# Altium PCB LION_TRACKER_BKP.PcbDoc (part 2 of 2)
Units mm, origin at the board's own origin, x right, y up, seen from the top; angles counter-clockwise.
Board outline 22.8 x 82 mm, 2 copper layers (Top Layer, Bottom Layer), stack 1.579 mm thick; 111 components, 82 nets, 423 pads, 505 vias.
Unrouted connection lines stored in the file: 5.
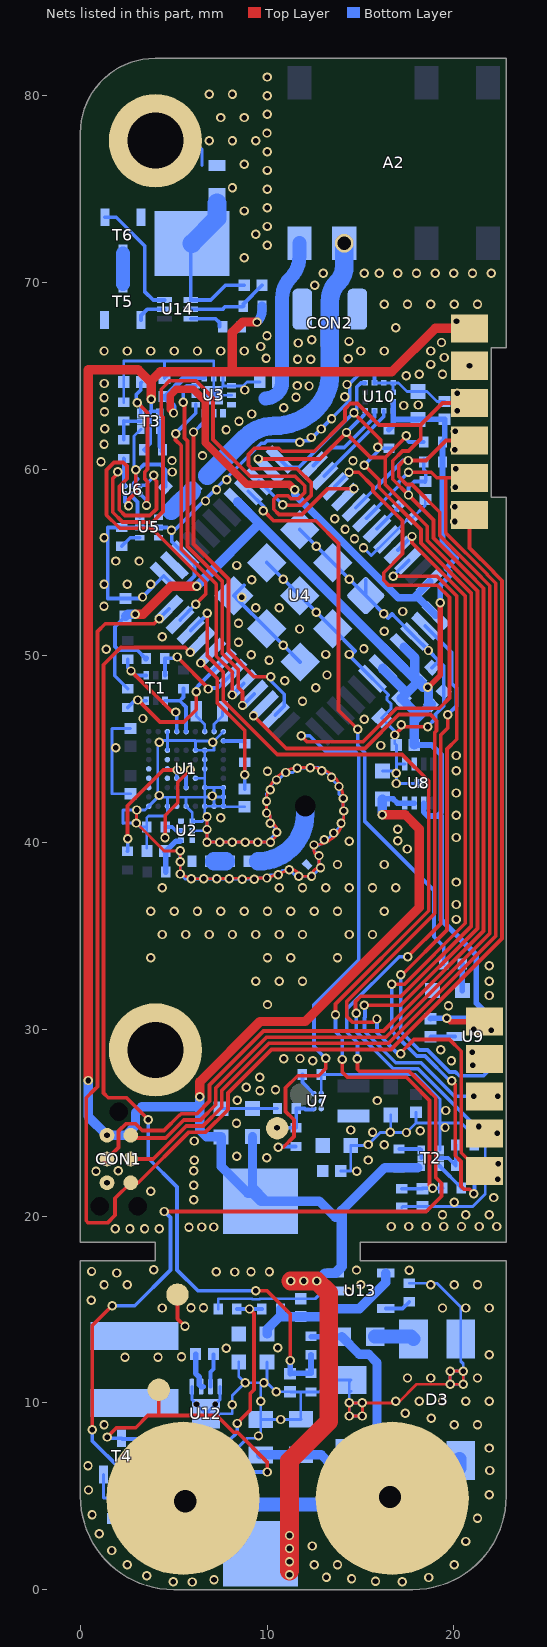
[diagram p2: the nets of this part, all layers, seen from the top]

## Via types
v1: diameter 0.5, hole 0.3, Top Layer to Bottom Layer, tented both sides, 497 vias
v2: diameter 0.4, hole 0.4, Top Layer to Bottom Layer, tented both sides, 4 vias
v3: diameter 1.2, hole 1.2, Top Layer to Bottom Layer, tented both sides, 2 vias
v4: diameter 0.3, hole 0.3, Top Layer to Bottom Layer, tented both sides, 2 vias

## Nets (pads, with @x,y where several pads share a name; then routed paths per layer and width w, separated by ;. In a path a pad name is that pad's centre, name@x,y a point inside that pad or via, vN(x,y) a via of type N, cw(c..) or ccw(c..) an arc to the next point about the centre after c; other vN are vias at no path point) (continued)
+2.5V: C5.1 C6.2 C12.1 C13.2 C14.2 C15.2 C34.2 C36.1 pad.201 R6.2 R8.2 R10.2 R11.2 R18.2 U4.4 U4.5 U4.6 U4.32 U8.2 U8.6 U9.1 U10.9 U10.10 | length 86.5
  Top Layer w0.3: v1(18.61,48.319) 19.279,48.988 v1(19.279,52.853) ; v1(19.621,30.59) 19.796,30.415 pad.201@21.643,30.415
  Top Layer w0.5: v1(2.94,52.23) 3.35,52.23 4.853,53.733 v1(6.237,53.733)
  Bottom Layer w0.2: C15.2@2.42,52.12 1.86,51.56 1.86,50.5 2.04,50.32 ; R6.2@2.54,48.24 1.84,48.94 1.84,50.12 2.04,50.32 ; R8.2@3.52,49.87 3.49,49.87 3.04,50.32 2.04,50.32
  Bottom Layer w0.3: R8.2@3.5,49.85 R8.2@3.52,49.87 ; R11.2@16.52,62.12 16.75,62.35 16.75,62.66 ; U10.9@16.75,63.62 U10.10@16.75,63.12 16.75,62.66 ; C34.2@17.88,45.23 18.8,45.23 19.33,44.7 19.33,41.639 19.121,41.43 19.33,41.43 19.33,35.86 21.2,33.99 21.2,31.41 U9.1@22.02,30.59 ; U8.6@18.38,42.12 18.38,41.65 18.6,41.43 18.861,41.43 ; C36.1@18.75,30.57 18.77,30.59 v1(19.621,30.59) 21.248,30.59 ; v1(19.279,52.853) 19.279,53.791 19.773,54.284 19.773,54.514 19.593,54.693 20.125,55.225 19.39,55.96 R18.2@19.39,60.38 R10.2@19.39,61.46 19.51,61.58 C6.2@19.51,62.67 ; C6.2@19.52,62.66 C6.2@19.51,62.67 ; 16.75,62.66 C5.1@18.09,62.66 18.1,62.67 C6.2@19.51,62.67 ; 21.248,30.59 U9.1@22.02,30.59 ; 21.248,30.59 21.06,30.402 v1(21.06,30) 21.1,29.96 v1(22,29.96) 22,30.57 U9.1@22.02,30.59
  Bottom Layer w0.5: C15.2@2.42,52.12 2.53,52.23 v1(2.94,52.23) ; v1(6.237,53.733) 6.587,54.083 6.587,54.095 9.58,57.088 ; U4.32@8.429,58.253 8.429,58.238 9.58,57.088 ; U4.6@16.2,49.336 16.2,49.286 17.473,48.013 ; U4.4@17.332,50.467 17.913,49.886 C14.2@17.913,48.755 ; C34.2@17.88,45.23 17.88,46.51 ; v1(18.61,48.319) v1@18.522,48.319 ; 9.58,57.088 U4.5@16.766,49.902 C14.2@17.913,48.755 ; 17.473,48.013 C14.2@18.064,48.604 ; 17.473,48.013 C12.1@17.19,47.73 17.88,47.041 17.88,46.51 ; 17.88,46.51 C13.2@18.781,47.411 18.644,47.411 18.644,48.197 v1@18.522,48.319 ; C14.2@17.913,48.755 C14.2@17.977,48.691 ; C14.2@17.977,48.691 C14.2@18.064,48.604 ; C14.2@17.977,48.691 C14.2@18.151,48.691 ; C14.2@18.064,48.604 18.349,48.319 v1@18.522,48.319 ; C14.2@18.064,48.604 C14.2@18.151,48.691 ; C14.2@18.151,48.691 v1@18.522,48.319
A_INT1: U4.37 U10.12 | length 4.7
  Bottom Layer w0.2: U4.37@12.488,60.204 13.444,61.16 14.127,61.16 15.75,62.783 U10.12@15.75,63.12
A_INT2: U4.38 U10.11 | length 4.8
  Bottom Layer w0.2: U4.38@13.061,59.631 16.25,62.82 U10.11@16.25,63.12
AC+: D3.4 TAB3.1 | length 13.3
  Bottom Layer w0.75: v3(5.61,4.74) 5.802,4.548 14.148,4.548 16.52,6.92 D3.4@17.83,6.92
AC-: D3.3 TAB1.1 | length 4.8
  Bottom Layer w0.75: v3(16.58,4.96) 18.76,4.96 20.305,6.505 D3.3@20.305,6.985
ANT: A2.1 C7.2 U3.9 U3.10 | length 9.1
  Bottom Layer w0.75: 9.923,63.795 ccw(c9.923,64.682) 10.81,64.682 10.81,69.178 cw(c12.312,69.178) 11.25,70.24 ccw(c10.092,71.398) 11.73,71.398 A2.1@11.73,72.1
BAT_AN: C10.2 R12.1 R15.2 U4.22 | length 49.2
  Top Layer w0.2: v1(6.8,52.28) 6.8,49.995 7.653,49.142 7.653,47.614 10.547,44.72 17.23,44.72 18.65,43.3 18.65,36.35 13.664,31.364 v1(13.664,30.785) ; v1(14.028,28.393) 14.028,27.712 14.303,27.437 17.467,27.437 17.748,27.156 17.748,27.152 18.7,26.2 18.7,21.66 v1(18.86,21.5)
  Bottom Layer w0.2: U4.22@5.914,51.356 6.8,52.242 v1(6.8,52.28) ; v1(13.664,30.785) 13.664,29.885 14.028,29.521 v1(14.028,28.393) ; R15.2@17.21,21.47 C10.2@18.32,21.47 18.35,21.5 v1(18.86,21.5) R12.1@19.4,21.5
BAT_MON_EN: R14.1 U4.45 | length 43.3
  Top Layer w0.2: v1(16.677,32.422) 17.353,32.422 20.611,35.68 20.611,53.214 17.761,56.064 v1(17.761,56.4) ; v1(19.883,27.248) 20.073,27.058 20.073,23.255 20.08,23.248 20.08,23.23 20.38,22.93 20.38,21.607 20.549,21.438 20.834,21.438 v1(21.065,21.207)
  Bottom Layer w0.2: v1(16.677,32.422) 16.677,29.917 16.828,29.765 16.828,29.754 18.011,28.571 18.46,28.571 19.783,27.248 v1(19.883,27.248) ; U4.45@17.014,55.679 17.735,56.4 v1(17.761,56.4) ; v1(21.065,21.207) 21.1,21.242 R14.1@21.1,22.71
BOOT0: R17.1 U4.43 | length 1.7
  Bottom Layer w0.2: U4.43@15.882,56.81 17.056,57.984 R17.1@17.056,58.074
CHG_DIS: R31.1 U4.2 | length 72.6
  Top Layer w0.2: v1(0.64,8.56) 0.64,14.14 v1(1.7,15.2) ; v1(4.5,20.25) 18.52,20.25 19.337,21.067 19.337,21.759 19.027,22.069 19.027,26.335 18.7,26.662 18.7,26.67 17.845,27.525 17.842,27.525 17.603,27.764 14.936,27.764 14.834,27.866 v1(14.834,28.435) ; v1(17.522,33.896) 19.304,35.678 19.304,43.571 19.302,43.573 19.302,45.769 19.666,46.133 v1(19.666,46.848)
  Bottom Layer w0.2: v1(0.64,8.56) 0.64,7.96 2.17,6.43 2.17,4.315 R31.1@1.67,3.815 ; v1(1.7,15.2) 2.91,15.2 4.82,17.11 4.82,19.93 v1(4.5,20.25) ; v1(14.834,28.435) 14.834,29.284 14.267,29.851 14.267,31.087 17.076,33.896 v1(17.522,33.896) ; U4.2@18.47,51.606 19.88,50.196 19.88,48.54 20.14,48.28 20.14,47.322 v1(19.666,46.848)
GND: C1.1 C3.1 C4.1 C5.2 C6.1 C7.1 C8.1 C10.1 C11.1 C12.2 C13.1 C14.1 C15.1 C16.2 C17.1 C18.1 C19.1 C20.1 C21.1 C22.1 C23.1 C31.1 C32.1 C33.1 C34.1 C36.2 C40.1 C41.1 C42.1 C43.1 C44.1 CON1.5 CON2.2 D1.A D2.1 D3.2 D4.A L4.1 pad.102 pad.202 pad.207 R3.1 R15.1 R16.1 R17.2 R19.1 R22.1 R24.1 R25.1 R26.1 R29.1 R30.1 R32.1 R34.1 R36.1 T2.1 T3.1 T4.2 T5.2 U1.A1 U1.A3 U1.A5 U1.A7 U1.A8 U1.A9 U1.B9 U1.C7 U1.C9 U1.D6 U1.E7 U1.F7 U1.G3 U1.G6 U1.G7 U1.J3 U1.J9 U2.1 U2.2 U3.0 U3.2 U3.5 U3.6 U3.7 U3.8 U3.11 U4.3 U4.7 U4.25 U4.27 U4.44 U4.49 U4.50 U4.51 U4.52 U4.53 U4.54 U4.55 U4.56 U4.57 U5.2 U5.5 U6.B2 U6.C1 U7.A3 U8.0 U8.1 U9.3 U10.5 U10.6 U10.7 U10.8 U12.5 U12.8 U12.9 U13.2 | length 302.3
  Top Layer w0.152: v1(3.02,41.75) 3,41.73 v1(3,41.05) 4.49,39.56 v1(5.34,39.56) 5.345,38.98 v1(5.35,38.32) v1(5.93,38.06) 6.61,38.068 7.3,38.077 7.98,38.085 8.659,38.094 9.309,38.102 v1(9.99,38.11) 10.574,38.324 v1(11.19,38.55) 11.34,38.55 cw(c11.34,38.2) v1(11.69,38.2) v1(12.38,38.2) cw(c12.84,38.2) 12.84,38.66 v1(12.86,38.66) cw(c12.86,38.74) 12.78,38.74 v1(12.78,39.31) cw(c12.78,39.58) 12.51,39.58 v1(12.51,39.88) ccw(c12.51,41.47) 14.1,41.47 v1(14.1,41.7) cw(c14.1,41.73) 14.07,41.73 v1(14.07,42.37) ccw(c12.42,42.37) 12.42,44.02 v1(12.31,44.02) 11.77,44.02 ccw(c11.77,42.22) v1(9.97,42.22) v1(9.97,41.59) cw(c9.97,41.39) 10.17,41.39 v1(10.17,41.04) cw(c10.17,40.7) 10.51,40.7 v1(10.51,40.55) 10.51,40.36 v1(10.18,40.03) v1(9.5,40.03) v1(8.82,40.03) v1(8.14,40.03) v1(7.46,40.03) v1(6.78,40.03) v1(6.78,40.71) v1(6.78,41.39) ; v1(15.1,10) 17,10 18,11 v1(19.8,11) ; v1(15.1,10) v1(15.1,9.3) v1(14.4,9.3) v1(14.4,10) v1(15.1,10) ; v1(19.8,11) v1(19.8,11.7) v1(20.5,11.7) v1(20.5,11) v1(19.8,11)
  Top Layer w0.2: v1(2.58,58.04) 2.58,58.37 2.97,58.76 v1(2.97,59.97) ; v1(16.832,45.768) 16.832,45.791 17.243,46.202 v1(18.598,46.202)
  Bottom Layer w0.152: T4.2@1.24,6.165 1.24,4.905 R32.1@1.67,4.905 ; R22.1@2.32,63.58 C16.2@2.32,64.66 2.32,65.79 4.5,65.79 ; C3.1@2.675,42.62 1.7,42.62 1.7,46.122 C4.1@2.676,46.122 ; v1@3.12,59.97 2.88,60.21 2.88,61.78 T3.1@3.24,62.14 ; pad.207@3.28,77.59 6.07,77.59 6.51,77.15 6.51,76.27 ; C1.1@3.55,39.72 R3.1@3.55,40.84 ; U1.G3@4.66,44.95 4.66,45.48 ; U1.J3@4.66,45.95 4.66,45.48 ; C8.1@4.71,65.06 C8.1@4.5,64.85 4.5,65.79 ; v1(5.34,39.56) v1(5.34,38.98) 5.35,38.97 v1(5.35,38.32) 5.61,38.06 v1(5.93,38.06) v1(6.61,38.06) v1(7.3,38.06) v1(7.98,38.06) 7.99,38.05 v1(8.66,38.05) 8.67,38.04 v1(9.31,38.04) 9.38,38.11 v1(9.99,38.11) 10.16,38.28 v1(10.59,38.28) 10.837,38.527 11.167,38.527 v1(11.19,38.55) 11.54,38.2 v1(11.69,38.2) v1(12.38,38.2) 12.4,38.2 v1(12.86,38.66) 12.78,38.74 v1(12.78,39.31) 12.51,39.58 v1(12.51,39.88) 12.79,39.88 v1(13.06,40.15) 13.2,40.15 v1(13.57,40.52) 13.96,40.91 v1(13.96,41.04) 14.1,41.18 v1(14.1,41.7) 14.07,41.73 v1(14.07,42.37) 13.85,42.59 v1(13.85,43.01) 13.45,43.41 v1(13.45,43.51) 13.11,43.85 v1(12.93,43.85) 12.76,44.02 v1(12.31,44.02) 12.28,43.99 v1(11.62,43.99) 11.39,43.76 v1(11,43.76) 10.6,43.36 v1(10.5,43.36) 10.17,43.03 v1(10.17,42.83) 9.97,42.63 v1(9.97,42.22) v1(9.97,41.59) 10.17,41.39 v1(10.17,41.04) 10.51,40.7 v1(10.51,40.55) 10.18,40.22 v1(10.18,40.03) v1(9.5,40.03) v1(8.82,40.03) v1(8.14,40.03) v1(7.46,40.03) v1(6.78,40.03) v1(6.78,40.71) ; U12.5@5.97,10.87 5.97,10.17 v4(6.22,9.92) U12.9@6.72,9.42 ; U2.2@5.99,40.64 6.71,40.64 v1(6.78,40.71) ; U1.D6@6.16,43.45 6.66,43.45 ; U3.2@6.178,63.96 U3.0@7.14,63.96 ; U3.11@7.14,62.998 U3.0@7.14,63.96 ; R30.1@7.38,15.02 7.38,15.58 9.179,15.58 9.212,15.547 9.588,15.547 9.621,15.58 C40.1@11.8,15.58 12.58,15.58 13,16 U13.2@13.65,16 ; U12.8@7.47,10.87 7.47,10.17 v4(7.22,9.92) U12.9@6.72,9.42 ; C18.1@7.54,25.75 7.55,25.76 C19.1@9.22,25.76 9.23,25.77 R24.1@10.56,25.77 ; U3.6@7.64,64.922 U3.0@7.64,64.46 ; U1.J9@7.66,45.95 v1@7.15,45.44 ; U3.8@8.102,63.96 U3.0@7.14,63.96 ; C43.1@8.27,6.95 8.27,7.44 8.94,8.11 9.42,8.11 v1(9.54,8.23) 9.66,8.35 C31.1@9.66,9.11 ; C42.1@8.48,12.2 8.48,11.42 v1(8.82,11.08) ; C17.1@8.8,41.92 7.66,41.92 U1.A9@7.66,41.95 ; C7.1@9.61,64.67 8.92,64.67 8.71,64.46 U3.7@8.102,64.46 U3.0@7.64,64.46 ; C41.1@10,12.19 v1@10,11.08 ; U7.A3@12.9,26.56 12.9,27.58 R25.1@12.89,27.59 17.941,27.59 19.26,26.271 19.26,24.99 ; C21.1@13.94,22.42 14.48,22.42 C20.1@14.48,23.78 15.36,23.78 v1(15.414,23.834) 16.06,24.48 v1@16.58,24.48 ; D4.A@14.445,10.58 D4.A@14.49,10.625 ; v1(15.162,55.795) 15.58,55.377 U4.44@16.448,56.244 17.57,57.366 R17.2@17.764,57.366 18.47,58.073 C11.1@18.47,58.38 ; U4.7@15.642,48.777 16.513,47.906 16.422,47.814 16.422,47.646 16.63,47.438 16.63,47.17 C12.2@16.13,46.67 16.832,45.967 v1(16.832,45.768) 16.832,45.318 C34.1@16.92,45.23 16.92,44.22 ; U10.5@15.75,64.62 U10.6@16.25,64.62 U10.7@16.75,64.62 ; C33.1@16.18,43.84 v1@16.92,43.84 ; C23.1@16.62,25.41 16.62,24.52 v1(16.6,24.5) v1@16.58,24.48 ; U10.8@16.75,64.12 U10.7@16.75,64.62 ; R15.1@17.21,20.47 17.25,20.51 C10.1@18.32,20.51 21.009,20.51 21.68,21.181 21.68,23.81 R16.1@21.1,23.81 21.1,24.29 20.4,24.99 19.26,24.99 ; U8.1@17.38,44.22 16.92,44.22 ; R29.1@17.61,16.41 19.09,16.41 20.37,15.13 D3.2@20.37,13.42 20.37,12.23 20.5,12.1 v1@20.5,11.9 ; C22.1@17.97,25.56 17.97,24.99 ; U8.0@18.13,43.17 v1(16.92,43.17) v1(16.92,43.726) v1@16.92,43.84 ; T2.1@19.26,23.54 19.26,24.99 ; C6.1@19.51,63.63 19.09,63.63 18.56,64.16 C5.2@18.09,64.16 17.5,64.16 17.04,64.62 U10.7@16.75,64.62 ; v1(3,41.05) 3.21,40.84 R3.1@3.55,40.84 ; v1(3,41.05) 3,41.73 v1(3.02,41.75) ; v1(3,41.05) 2.31,41.05 2.29,41.03 2.29,41.75 v1(3.02,41.75) ; v1(3.02,41.75) 3.46,41.75 U1.A1@3.66,41.95 v1@4.14,42.43 ; R3.1@3.55,40.84 3.55,41.33 3.65,41.43 4.51,41.43 4.66,41.58 U1.A3@4.66,41.95 4.66,42.43 ; v1@4.14,42.43 4.14,45.48 4.66,45.48 ; v1@4.14,42.43 4.66,42.43 ; 4.5,65.79 7.14,65.79 U3.5@7.14,64.922 U3.0@7.14,63.96 ; 4.66,42.43 5.66,42.43 ; 4.66,45.48 6.16,45.48 6.16,45.44 ; 5.66,42.43 6.66,42.43 ; 5.66,42.43 U1.A5@5.66,41.95 5.99,41.62 U2.1@5.99,41.14 6.53,41.14 v1(6.78,41.39) ; 6.16,45.44 v1@7.15,45.44 ; 6.16,45.44 U1.G6@6.16,44.95 U1.G7@6.66,44.95 ; U1.A7@6.66,41.95 6.66,41.51 v1(6.78,41.39) ; U1.A7@6.66,41.95 6.66,42.43 ; U1.A7@6.66,41.95 U1.A8@7.16,41.95 ; 6.66,42.43 6.66,42.45 ; 6.66,42.45 v1@7.16,42.45 ; 6.66,42.45 U1.C7@6.66,42.95 ; U1.C7@6.66,42.95 7.16,42.95 ; U1.C7@6.66,42.95 6.66,43.45 ; 6.66,43.45 U1.E7@6.66,43.95 U1.F7@6.66,44.45 U1.G7@6.66,44.95 ; U1.G7@6.66,44.95 7.14,44.95 7.17,44.98 7.15,45 v1@7.15,45.44 ; U12.9@6.72,9.42 8.13,9.42 v1(8.13,9.905) 8.13,10.39 v1(8.82,11.08) ; v1(6.78,40.71) v1(6.78,41.39) ; U3.0@7.14,63.96 U3.0@7.64,64.46 ; U1.A8@7.16,41.95 v1@7.16,42.45 ; U1.A8@7.16,41.95 U1.A9@7.66,41.95 ; v1@7.16,42.45 7.16,42.95 ; v1@7.16,42.45 U1.B9@7.66,42.45 ; 7.16,42.95 U1.C9@7.66,42.95 U1.B9@7.66,42.45 ; U1.A9@7.66,41.95 U1.B9@7.66,42.45 ; v1(8.82,11.08) v1@9.66,11.08 ; C31.1@9.66,9.11 v1(9.66,10.095) v1@9.66,11.08 ; C31.1@9.66,9.11 v1(10.73,9.11) 11.8,9.11 C32.1@11.81,9.12 11.8,9.13 11.8,10.58 ; v1@9.66,11.08 v1(9.83,11.08) v1@10,11.08 ; v1@10,11.08 v1(10.48,10.6) C44.1@11.23,10.6 11.25,10.58 11.8,10.58 ; 11.8,10.58 R34.1@12.35,10.58 12.78,10.58 13.425,11.225 D4.A@14.49,11.225 14.4,11.135 v1(14.4,10) ; v1(14.4,10) v1(15.1,10) v1(15.1,9.3) v1(14.4,9.3) v1(14.4,10) ; v1@16.58,24.48 v1(17.46,24.48) 17.97,24.99 ; v1@16.92,43.84 16.92,44.22 ; 17.97,24.99 19.26,24.99 ; v1@20.5,11.9 20.3,11.7 v1(19.8,11.7) v1(19.8,11) v1(20.5,11) v1(20.5,11.7) v1@20.5,11.9
  Bottom Layer w0.2: U6.C1@2.39,58.69 2.39,58.23 v1(2.58,58.04) v1@2.58,58.12 ; U6.B2@2.79,59.09 2.863,59.163 2.863,59.271 3.066,59.475 2.97,59.57 v1(2.97,59.97) 3.12,59.97 3.4,60.25 4.29,60.25 4.575,59.965 4.575,59.08 L4.1@4.557,59.063 ; 8.765,53.783 U4.57@8.212,53.23 8.471,52.971 U4.56@9.98,51.462 v1(10.873,50.57) U4.55@11.765,49.677 ; U4.54@9.98,54.998 U4.53@11.748,53.23 v1(12.632,52.346) U4.52@13.516,51.462 14.708,50.27 14.708,50.258 14.434,49.985 U4.7@15.642,48.777 ; U4.51@11.748,56.766 U4.50@13.516,54.998 v1(14.399,54.114) U4.49@15.283,53.23 ; U4.49@15.283,54.078 U4.49@15.283,53.23 ; U10.5@15.75,64.62 15.75,65.08 15.66,65.17 15.01,65.17 14.43,64.59 14.43,63.69 12.27,61.53 10.002,61.53 9.857,61.385 9.685,61.385 5.06,56.76 v1@4.77,56.76 ; v1(18.598,46.202) 18.598,46.234 19.018,46.654 19.018,46.874 19.446,47.302 19.446,47.34 19.449,47.344 19.459,47.344 C13.1@19.459,48.089 19.459,49.471 19.195,49.735 ; C36.2@18.75,29.61 18.76,29.62 U9.3@20.08,29.62 ; C14.1@18.829,49.369 19.195,49.735 ; v1@4.77,56.76 4.89,56.64 4.89,56.132 U4.27@5.598,55.424 5.97,55.052 6.11,55.052 6.11,54.28 5.6,53.77 4.985,53.77 U4.25@4.465,54.291 v1(3.329,53.156) 3.254,53.08 C15.1@2.42,53.08 1.47,53.08 1.47,56.88 R19.1@2.22,56.88 U5.5@3.18,56.88 U5.2@4.18,56.88 4.65,56.88 v1@4.77,56.76 ; U4.49@15.283,53.23 16.48,52.033 16.483,52.033 16.69,52.24 16.89,52.04 U4.3@17.897,51.033 v1(18.638,50.293) 19.195,49.735
  other v1: 5.998,0.406 4.982,0.419 17.241,0.419 15.805,0.444 7.154,0.533 14.522,0.584 13.176,0.66 18.651,0.648 3.559,0.736 2.518,1.33 12.518,1.33 13.768,1.33 20.018,1.33 1.679,2.096 12.413,2.337 20.643,2.58 1.018,2.998 21.268,3.83 0.625,4.001 21.893,5.08 0.434,5.335 21.916,6.377 0.409,6.631 21.893,7.58 1.268,8.83 20.018,8.83 21.268,8.83 18.791,9.172 17.393,9.451 16.893,10.08 18.143,10.08 19.393,10.08 20.643,10.08 21.893,10.08 17.518,11.33 18.768,11.33 21.268,11.33 2.39,12.436 4.156,12.436 5.414,12.462 21.893,12.58 7.812,12.917 10.562,12.945 4.393,15.08 19.393,15.08 20.643,15.08 21.893,15.08 5.922,15.1 6.593,15.1 0.578,15.488 14.341,15.943 1.268,16.33 2.518,16.33 15.018,16.33 18.768,16.33 20.018,16.33 21.268,16.33 1.94,16.955 8.259,17.007 9.139,17.018 10.124,17.018 0.599,17.039 7.274,17.028 3.921,17.123 14.787,17.113 17.619,17.105 1.86,19.32 2.653,19.32 3.437,19.32 4.23,19.32 5.817,19.399 6.493,19.418 7.139,19.418 16.642,19.447 17.59,19.447 18.526,19.447 19.463,19.447 20.411,19.447 21.359,19.447 22.295,19.447 19.393,20.08 20.643,20.08 21.893,20.08 20.022,20.747 6.062,20.878 22.142,20.996 3.768,21.33 6.062,21.661 1.425,21.79 14.795,22.402 0.834,22.407 2.032,22.433 6.062,22.435 6.1,23 15.415,23.004 9.987,23.133 8.375,23.211 16.268,23.83 6.091,24.022 15.647,24.492 18.202,24.58 14.476,24.612 19.53,24.75 8.361,24.975 19.56,25.66 15.89,26.19 8.393,26.208 9.62,26.713 10.451,26.775 8.886,26.894 9.599,27.431 21.01,28.09 19.87,28.32 12.45,28.33 10.894,28.431 11.76,28.443 20.99,28.78 19.3,28.91 19.714,31.264 10.018,31.33 21.894,31.815 9.393,32.58 10.643,32.58 11.893,32.58 21.893,32.58 21.9,33.407 3.768,33.83 10.018,33.83 11.268,33.83 13.768,33.83 4.393,35.08 5.643,35.08 6.893,35.08 8.143,35.08 9.393,35.08 10.643,35.08 11.893,35.08 14.393,35.08 15.643,35.08 20.12,35.89 3.768,36.33 5.018,36.33 6.268,36.33 7.518,36.33 8.768,36.33 10.018,36.33 11.268,36.33 12.518,36.33 13.768,36.33 16.268,36.33 20.13,36.69 4.393,37.58 10.643,37.58 11.893,37.58 13.143,37.58 14.393,37.58 15.643,37.58 16.893,37.58 20.13,37.89 13.768,38.83 16.268,38.83 17.5,39.66 14.393,40.08 17,40.1 20.13,40.28 17.001,40.716 7.518,41.33 20.13,41.47 7.06,42.5 4.23,42.53 20.13,42.66 10.018,43.83 20.13,43.85 20.13,44.67 1.893,45.08 16.094,45.202 4.23,45.38 7.09,45.38 17.189,46.31 15.21,46.601 3.35,46.65 11.893,47.58 12.605,48.291 10.944,48.677 13.207,48.979 10.105,49.775 9.152,50.06 13.143,50.08 14.393,50.08 1.394,50.364 15.185,50.384 8.465,50.74 4.391,51.022 16.268,51.33 11.738,51.444 8.465,51.751 16.238,52.261 17.262,52.382 9.393,52.58 10.643,52.58 1.263,52.668 8.639,53.139 1.268,53.83 2.518,53.83 3.768,53.83 9.173,54.081 10.864,54.114 8.371,54.847 1.893,55.08 3.143,55.08 12.632,55.882 14.681,56.28 1.268,56.33 4.881,56.738 14.174,56.786 13.618,57.354 6.702,58.296 7.293,58.898 7.842,59.428 4.921,59.853 1.103,60.4 14.6,60.45 4.907,60.463 6.538,60.731 1.268,61.33 11.744,61.442 12.369,61.701 7.801,62.116 12.906,62.155 1.298,62.167 8.493,62.572 13.452,62.697 9.171,62.957 1.291,63.085 10.896,63.294 17.32,63.41 18.09,63.44 1.268,63.83 11.549,63.851 14.155,63.885 8.809,64.239 12.246,64.456 11.607,64.479 14.28,64.536 1.27,64.589 17.443,65.002 18.143,65.08 19.393,65.08 20.84,65.54 18.761,65.611 11.63,65.884 12.345,65.89 9.943,65.936 14.342,65.919 19.493,65.983 1.268,66.33 2.518,66.33 3.768,66.33 5.018,66.33 6.268,66.33 7.51,66.33 8.768,66.33 15.018,66.33 16.268,66.33 18.768,66.33 9.65,66.57 11.659,66.761 19.336,66.785 14.383,66.843 12.385,66.924 9.994,67.153 16.893,67.58 16.268,68.83 17.518,68.83 18.768,68.83 20.018,68.83 21.268,68.83 12.542,69.859 13,70.5 15.2,70.5 16,70.5 17,70.5 18,70.5 19,70.5 20,70.5 21,70.5 22,70.5 8.768,71.33 10,72 9.393,72.58 10,73 8.768,73.83 10,74 10,75 8.143,75.08 10,76 8.768,76.33 10,77 6.893,77.58 8.143,77.58 9.393,77.58 9.995,78 7.518,78.83 8.768,78.83 10,79 10,80 6.893,80.08 8.143,80.08 10,81
GND_BAT: C45.1 P1.2 R26.2 T6.2 U14.4 | length 9
  Bottom Layer w0.2: P1.2@5.87,72.03 P1.2@5.91,71.99 ; P1.2@5.98,72.09 5.91,72.02 P1.2@5.91,71.99 ; C45.1@8.77,69.85 7.77,69.85 6.98,69.06 U14.4@5.91,69.06 P1.2@5.91,71.99
  Bottom Layer w1: P1.2@5.98,72.09 7.32,73.43 7.32,74.26
GPS_EN: R23.1 U4.39 | length 56.1
  Top Layer w0.2: v1(10.59,23.69) 10.86,23.69 11.44,24.27 11.44,25.16 10.99,25.61 10.99,26.872 11.638,27.52 12.76,27.52 13.14,27.9 v1(13.14,28.45) ; v1(11.82,45.73) 12.14,45.41 15.138,45.41 16.927,47.199 19.213,47.199 19.762,47.748 19.762,53.138 19.114,53.786 16.504,53.786 16.24,54.05 16.24,54.46 17.25,55.47 17.25,57.24 15.676,58.814 15.676,59.069 14.905,59.84 v1(14.387,59.84)
  Bottom Layer w0.2: v1(10.59,23.69) 10.63,23.73 R23.1@11.54,23.73 ; v1(11.82,45.73) 12.287,45.73 13.113,44.904 14.681,44.904 14.908,44.677 14.908,33.717 12.512,31.321 12.512,29.078 v1(13.14,28.45) ; U4.39@13.619,59.073 v1(14.387,59.84)
GPS_RX: R8.1 T1.3 U4.18 | length 6
  Top Layer w0.2: v1(5.185,49.945) v1@6.92,48.21 ; v1(6.84,48.23) v1@6.84,48.29
  Bottom Layer w0.2: T1.3@4.555,48.98 T1.3@4.53,48.955 4.53,49.86 R8.1@4.52,49.87 5.11,49.87 v1(5.185,49.945) v1@5.26,50.02 ; v1(6.84,48.23) 6.897,48.287 7.357,48.287 8.163,49.093 U4.18@8.177,49.093
GPS_TX: R6.1 T1.6 U4.19 | length 8.2
  Top Layer w0.2: v1(3.08,47.64) 4.26,46.46 5.54,46.46 6.2,47.12 v1(6.2,48.08)
  Bottom Layer w0.2: R6.1@2.54,47.24 2.905,47.605 T1.6@3.53,47.605 ; v1(6.2,48.08) 6.2,48.29 6.35,48.44 7.099,49.189 7.569,49.659 U4.19@7.611,49.659
INPUT_AN: C44.2 R33.1 R34.2 U4.21 | length 52.1
  Top Layer w0.2: v1(3.64,25.17) 2.47,26.34 1.49,26.34 1.241,26.589 1.241,49.53 2.161,50.45 5.62,50.45 v1(5.879,50.19) ; v1(9.4,16) 10,16 11.24,14.76 v1(11.24,12.27)
  Bottom Layer w0.2: v1(3.64,25.17) 3.64,23.1 5.18,21.56 5.18,17.12 6.3,16 v1(9.4,16)
  Bottom Layer w0.3: v1(11.24,12.27) 11.23,12.26 C44.2@11.23,11.56 11.25,11.58 R34.2@12.35,11.58 R33.1@12.35,12.57
LED: R9.1 U4.33 | length 31
  Top Layer w0.2: v1(9.8,57.782) 10.342,57.24 12.607,57.24 13.828,56.019 13.828,47.094 v1(14.848,46.074)
  Bottom Layer w0.2: U4.33@8.995,58.818 9.8,58.013 v1(9.8,57.782) ; v1(14.848,46.074) 14.848,45.199 15.235,44.812 15.235,41.138 18.94,37.433 18.94,34.96 19.454,34.446 R9.1@19.454,33.502
LORA_ANT: L4.2 L7.1 U5.1 | length 1.5
  Bottom Layer w1: 4.869,57.773 5.358,58.241 5.366,58.248 L7.1@5.972,58.828
NetA1_1: A1.1 C2.2 D1.K | length 4.4
  Bottom Layer w1: 9.53,39 ccw(c9.53,41.504) 12.034,41.504 A1.1@12.034,41.963
NetA2_2: A2.2 CON2.1 L7.2 pad.206 | length 16.3
  Bottom Layer w1: L7.2@6.792,59.642 8.827,61.677 cw(c10.38,60.123) 10.38,62.32 ccw(c10.38,65.507) 12.534,63.158 12.616,63.24 ccw(c10.82,65.036) 13.36,65.036 13.36,68.996 cw(c14.794,68.996) 13.78,70.01 ccw(c12.936,70.854) 14.13,70.854 A2.2@14.13,72.1
NetC1_2: C1.2 R1.1 U2.4 | length 2.2